# Altium PCB DM3370.PcbDoc (part 8 of 9)
Units mm, origin at the board's own origin, x right, y up, seen from the top; angles counter-clockwise.
Board outline 114.8 x 103.43 mm, 6 copper layers (Top Copper, GND 1, PWR, Signal Layer 1, GND 2, Bottom Copper), stack 1.599 mm thick; 540 components, 427 nets, 2136 pads, 1770 vias.
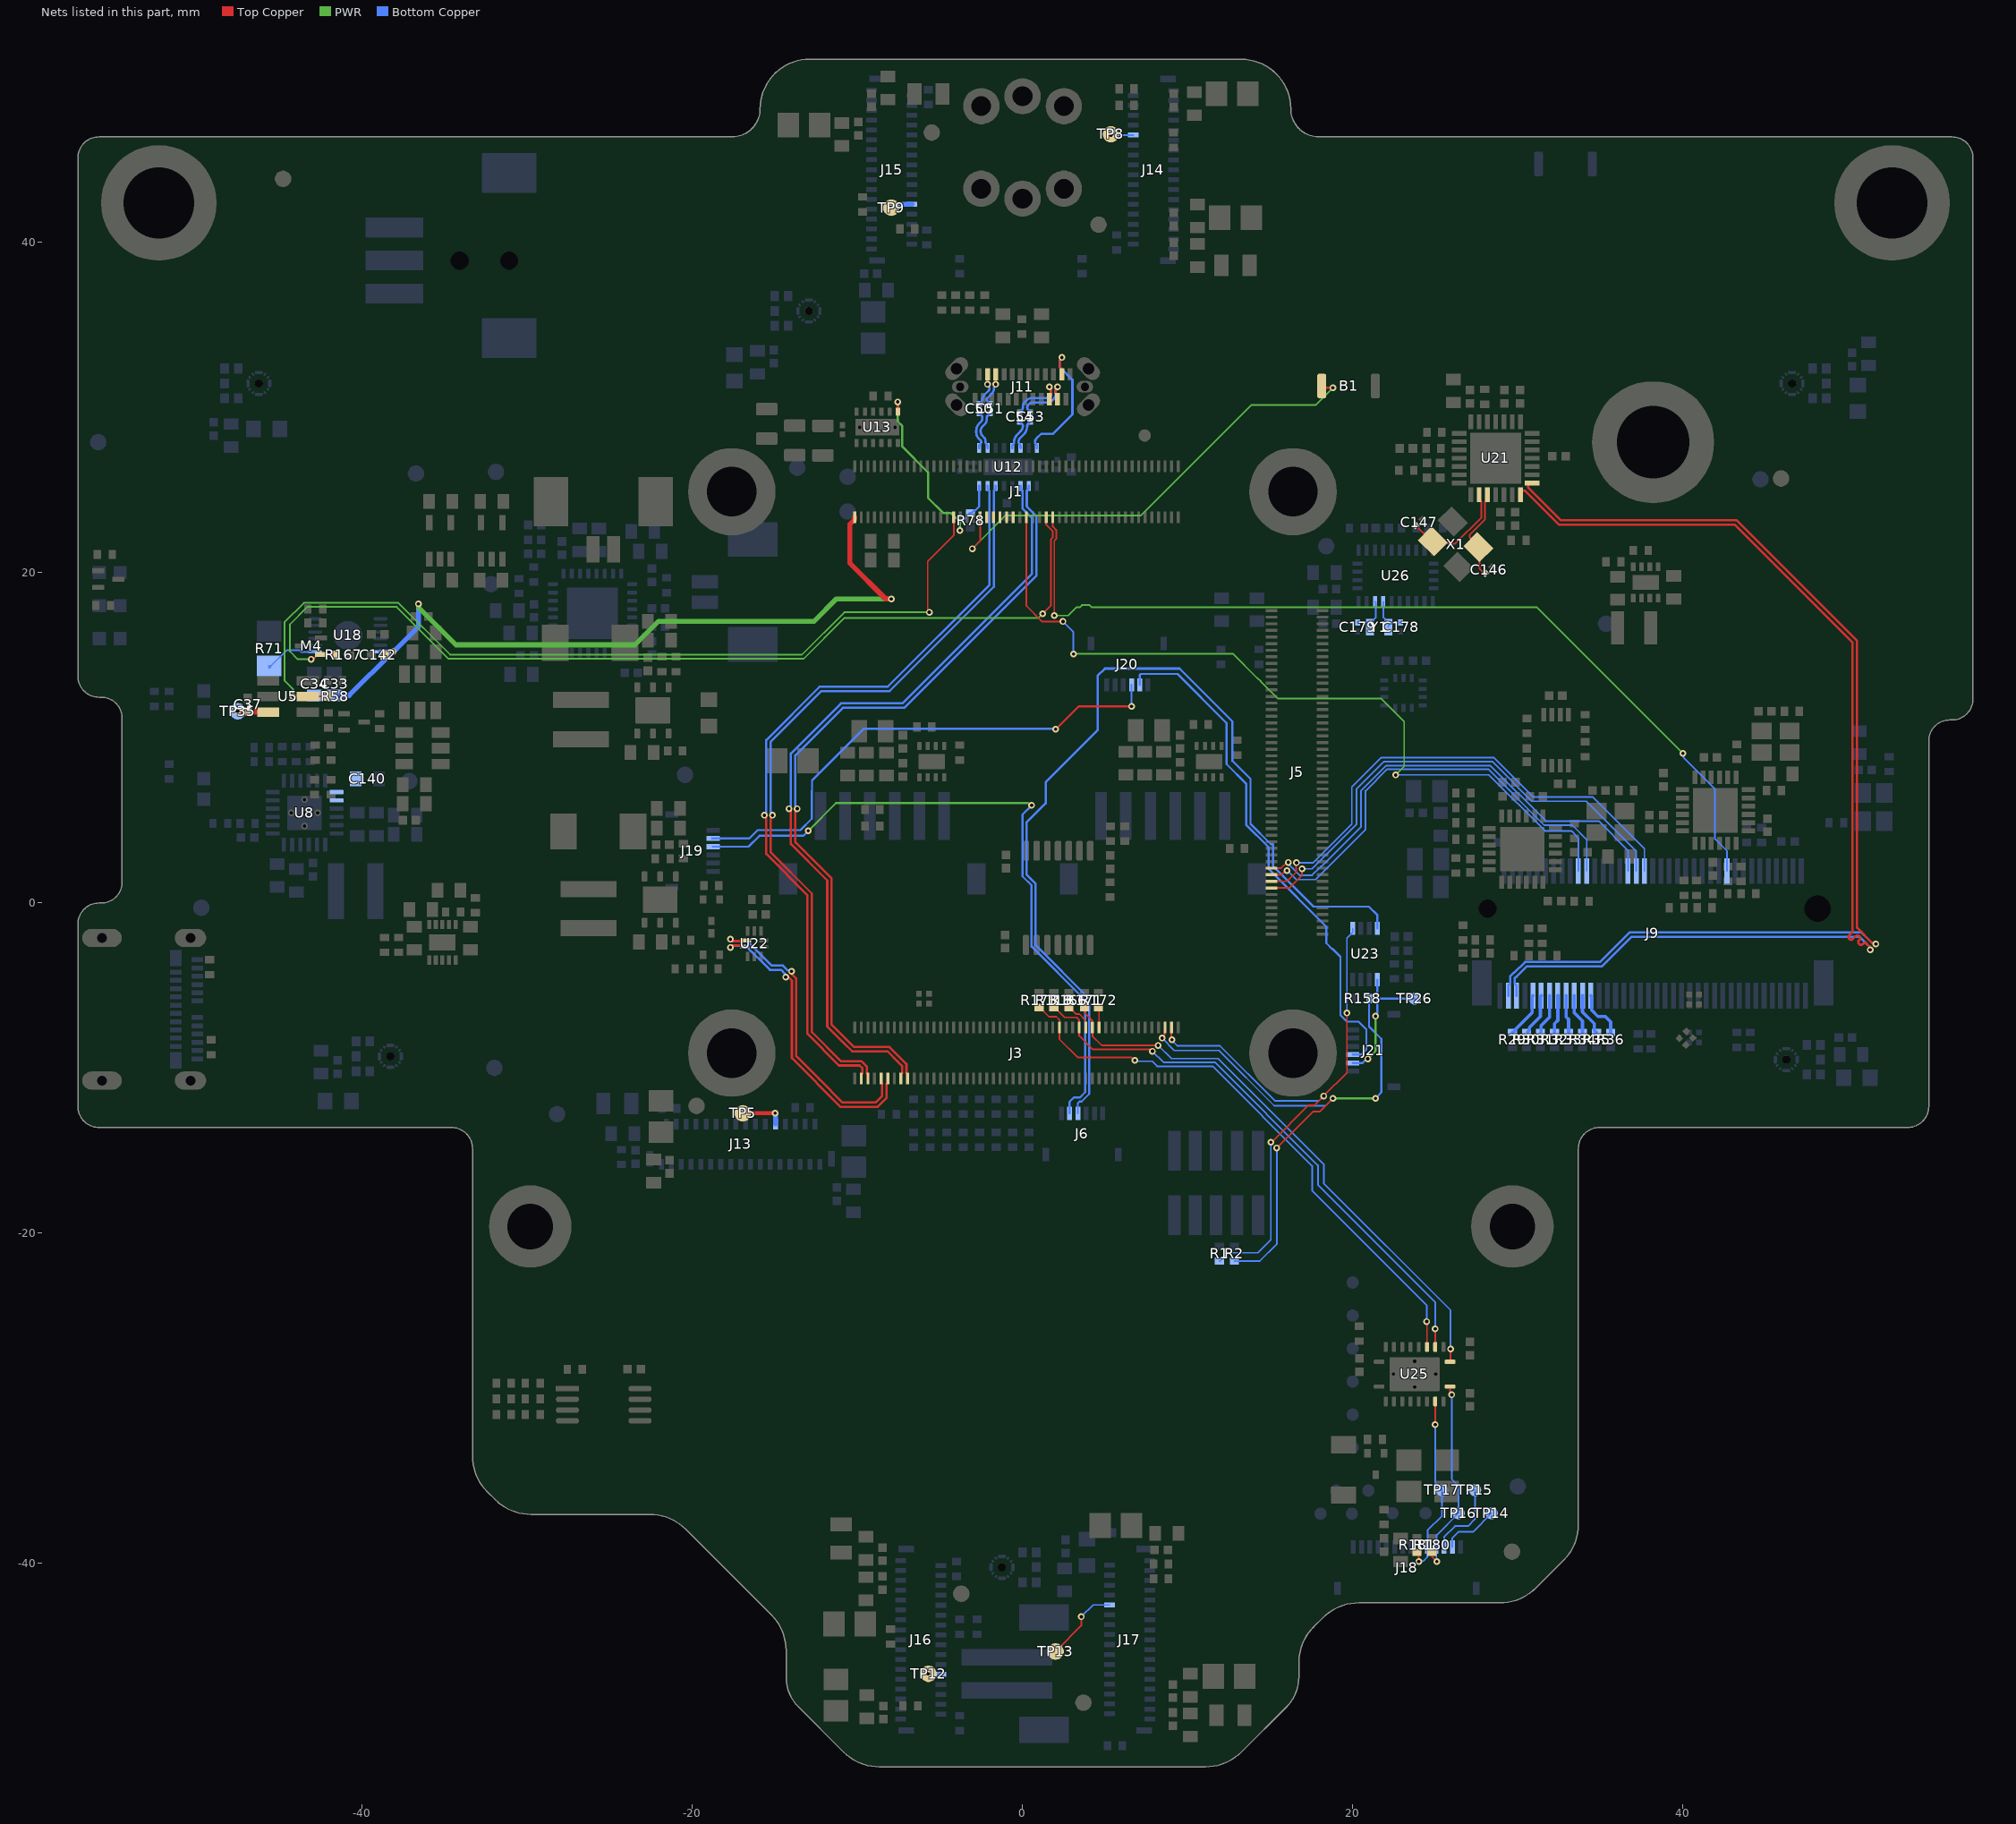
[diagram p12: the nets of this part, all layers, seen from the top]

## Via types
v1: diameter 0.406, hole 0.203, Top Copper to Bottom Copper, tented both sides, 1733 vias
v2: diameter 0.508, hole 0.254, Top Copper to Bottom Copper, 16 vias
v3: diameter 0.5, hole 0.2, Top Copper to Bottom Copper, 13 vias
v4: diameter 0.6, hole 0.3, Top Copper to Bottom Copper, 6 vias
v5: diameter 0.406, hole 0.203, Top Copper to Bottom Copper, 2 vias

## Nets (pads, with @x,y where several pads share a name; then routed paths per layer and width w, separated by ;. In a path a pad name is that pad's centre, name@x,y a point inside that pad or via, vN(x,y) a via of type N, cw(c..) or ccw(c..) an arc to the next point about the centre after c; other vN are vias at no path point) (continued)
RXC_P: J11.A11 U12.19 | length 8.8
  Top Copper w0.14: J11.A11@2.375,32.01 2.295,32.09 2.295,32.377 2.275,32.397 2.275,32.844 2.39,32.958 v1(2.39,33.03)
  Bottom Copper w0.14: 0.758,28.033 0.758,27.924 ; 0.836,28.111 ccw(c1.023,27.924) 0.758,27.924 ; 0.836,28.111 1.137,28.412 1.852,28.412 3.021,29.581 3.021,31.682 2.275,32.427 2.275,32.844 2.39,32.958 v1(2.39,33.03) ; U12.19@0.875,27.55 U12.19@0.875,27.643 ; 0.758,27.924 ccw(c0.957,27.924) 0.817,27.783 0.758,27.841 0.758,27.924 ; U12.19@0.875,27.643 ccw(c0.676,27.643) 0.817,27.783 0.875,27.725 U12.19@0.875,27.643
S_CLR: J1.60 M4.1 R167.2 | length 59.5
  Top Copper w0.102: v1(-43.1,14.75) -43.042,14.808 -42.947,14.808 -42.705,15.05 M4.1@-42.5,15.05 -41.65,15.05 R167.2@-41.6,15 ; v1(1.214,17.504) 1.71,18 1.71,22.009 1.832,22.131 1.832,22.5 1.432,22.9 J1.60@1.432,23.359
  PWR w0.102: v1(-43.1,14.75) -43.917,14.75 -44.385,15.219 -44.385,16.868 -43.334,17.919 -37.914,17.919 -34.775,14.781 -13.269,14.781 -10.806,17.244 0.954,17.244 v1(1.214,17.504)
S_INT: J1.32 R58.1 U5.5 | length 55.2
  Top Copper w0.102: v1(-44.2,12.5) R58.1@-42.1,12.5 ; v1(-5.65,17.6) -5.65,17.682 -5.75,17.782 -5.75,20.678 -4.168,22.259 J1.32@-4.168,23.359
  PWR w0.102: v1(-44.2,12.5) -44.2,12.952 -44.712,13.464 -44.712,16.998 -43.544,18.166 -37.812,18.166 -34.673,15.028 -13.372,15.028 -10.8,17.6 v1(-5.65,17.6)
SCL: J18.5 R181.1 TP17.1 U25.18 | length 11.3
  Top Copper w0.102: R181.1@23.9,-39.25 24,-39.35 v1(24,-39.9) ; v1(25,-31.6) U25.18@25,-30.2
  Bottom Copper w0.102: v1(24,-39.9) 24.025,-39.875 24.274,-39.875 24.515,-39.634 24.515,-39.044 J18.5@24.537,-39.022 24.537,-38.013 25.412,-37.138 TP17.1@25.412,-35.572 25.412,-35.534 25,-35.121 v1(25,-31.6)
SD0_CLK_1V8: J9.9 R29.2 | length 2.8
  Bottom Copper w0.2: R29.2@29.675,-7.85 29.725,-7.85 29.85,-7.725 29.85,-7.675 30.875,-6.65 30.875,-5.675 J9.9@30.925,-5.625
SD0_CMD_1V8: J9.11 R30.2 | length 2.5
  Bottom Copper w0.2: R30.2@30.595,-7.819 30.606,-7.819 30.7,-7.725 30.7,-7.559 31.375,-6.884 31.375,-5.675 J9.11@31.425,-5.625
SD0_D0_1V8: J9.13 R31.2 | length 2.4
  Bottom Copper w0.2: R31.2@31.381,-7.841 31.413,-7.809 31.413,-7.442 31.925,-6.93 J9.13@31.925,-5.625
SD0_D1_1V8: J9.15 R32.2 | length 2.3
  Bottom Copper w0.2: R32.2@32.225,-7.85 32.225,-7.318 32.425,-7.118 J9.15@32.425,-5.625
SD0_D2_1V8: J9.17 R33.2 | length 2.3
  Bottom Copper w0.2: J9.17@32.925,-5.625 32.925,-6.913 33.075,-7.063 R33.2@33.075,-7.85
SD0_D3_1V8: J9.19 R34.2 | length 2.4
  Bottom Copper w0.2: J9.19@33.425,-5.625 33.425,-6.663 33.925,-7.163 R34.2@33.925,-7.85
SDA: J18.4 R180.1 TP16.1 U25.20 | length 12.2
  Top Copper w0.102: R180.1@24.8,-39.25 24.8,-39.6 v1(25.1,-39.9) ; U25.20@25.9,-29.3 25.9,-29.618 26,-29.718 v1(26,-29.8)
  Bottom Copper w0.102: v1(25.1,-39.9) 25.069,-39.869 25.069,-39.053 J18.4@25.037,-39.022 25.091,-38.968 25.091,-38.293 TP16.1@26.412,-36.972 26.412,-35.312 26,-34.9 v1(26,-29.8)
SEL: R78.1 U12.9 U13.7 | length 13.5
  Top Copper w0.127: v1(-7.56,30.34) -7.555,30.334 -7.555,29.755 U13.7@-7.55,29.75
  PWR w0.127: v1(-7.56,30.34) -7.56,29.16 -7.3,28.9 -7.3,27.65 -5.727,26.077 -5.727,24.527 -4.815,23.615 -4.344,23.615 -3.8,23.071 v1(-3.8,22.55)
  Bottom Copper w0.127: v1(-3.8,22.55) -3.8,22.95 -3.361,23.389 -3.361,23.439 -3.2,23.6 -3.1,23.6 -2.938,23.762 -2.871,23.762 -2.625,24.008 U12.9@-2.625,25.25
SPI2_SCK: J3.69 R118.2 U25.3 | length 34.5
  Top Copper w0.102: R118.2@1.9,-6.35 1.95,-6.35 2.543,-6.943 3.28,-6.943 3.432,-7.096 3.432,-8.057 4.264,-8.889 7.685,-8.889 7.788,-8.992 v1(7.87,-8.992) ; U25.3@25,-26.9 v1(25,-25.8)
  Bottom Copper w0.102: v1(7.87,-8.992) 8.543,-9.664 11.653,-9.664 17.892,-15.903 17.892,-17.077 25,-24.186 v1(25,-25.8)
SPI2_SIO0: J3.73 R171.2 U25.1 | length 34.3
  Top Copper w0.102: R171.2@3.75,-6.35 3.75,-6.65 4.22,-7.12 4.22,-7.549 4.234,-7.563 4.234,-8.07 4.8,-8.636 v1(8.215,-8.636) ; U25.1@25.9,-27.8 25.925,-27.775 v1(25.925,-27.022)
  Bottom Copper w0.102: v1(8.215,-8.636) 9.013,-9.434 11.851,-9.434 18.25,-15.833 18.25,-16.999 25.925,-24.674 v1(25.925,-27.022)
SPI2_SIO1: J3.75 R172.2 | length 1.2
  Top Copper w0.102: R172.2@4.6,-6.35 4.632,-6.382 J3.75@4.632,-7.561
SPI2_SS_0: J3.71 R166.2 | length 1.8
  Top Copper w0.102: R166.2@2.8,-6.35 2.85,-6.35 3.228,-6.728 3.428,-6.728 3.82,-7.12 3.82,-7.549 J3.71@3.832,-7.561
SPI2_SS_1: J3.63 R173.2 U25.4 | length 35.1
  Top Copper w0.102: R173.2@1,-6.35 1.05,-6.35 1.6,-6.9 2.045,-6.9 2.25,-7.105 2.25,-7.543 J3.63@2.232,-7.561 2.232,-8.256 3.342,-9.366 6.588,-9.366 6.772,-9.55 v1(6.8,-9.55) ; v1(24.483,-25.36) 24.5,-25.377 U25.4@24.5,-26.9
  Bottom Copper w0.102: v1(6.8,-9.55) 6.85,-9.6 7.85,-9.6 8.15,-9.9 11.515,-9.9 17.545,-15.931 17.545,-17.436 24.483,-24.374 v1(24.483,-25.36)
STROBE_A1: J14.10 TP8.1 | length 1.3
  Bottom Copper w0.102: v1(5.35,46.5) J14.10@6.7,46.5
STROBE_D1: J15.10 TP9.1 | length 1.4
  Bottom Copper w0.3: v1(-8,42.1) -7.971,42.1 -7.771,42.3 J15.10@-6.7,42.3
STROBE_E: J13.10 TP5.1 | length 2.6
  Top Copper w0.254: TP5.1@-16.95,-12.75 -16.944,-12.744 -14.99,-12.744 v1(-14.985,-12.738)
  Bottom Copper w0.3: v1(-14.985,-12.738) -14.975,-12.748 J13.10@-14.975,-13.4
STROBE_E1: J16.10 TP12.1 | length 0.8
  Bottom Copper w0.25: v1(-5.7,-46.7) -5.679,-46.721 -4.959,-46.721 J16.10@-4.938,-46.742
STROBE_R1: J17.10 TP13.1 | length 5.1
  Top Copper w0.102: TP13.1@1.768,-45.4 2.084,-45.4 2.084,-45.266 3.562,-43.788 v1(3.562,-43.242)
  Bottom Copper w0.102: v1(3.562,-43.242) 4.276,-42.528 J17.10@5.263,-42.528
SYS_RST: B1.1 J1.40 | length 28.7
  Top Copper w0.102: v1(-3.05,21.45) -2.568,21.932 J1.40@-2.568,23.359
  Top Copper w0.127: B1.1@18.1,31.2 v1(18.8,31.2)
  PWR w0.102: v1(-3.05,21.45) -1.05,23.45 7.15,23.45 13.85,30.15 17.75,30.15 v1(18.8,31.2)
TCK: J1.48
TDI: J1.46
TDO: J1.42
TMS: J1.50
TP0: J18.2 TP14.1 | length 3.6
  Bottom Copper w0.102: J18.2@26.037,-39.022 26.037,-38.463 26.4,-38.1 27.284,-38.1 TP14.1@28.412,-36.972
TP1: J18.3 TP15.1 | length 4.7
  Bottom Copper w0.102: J18.3@25.537,-39.022 25.537,-38.413 26.2,-37.75 27,-37.75 27.412,-37.338 TP15.1@27.412,-35.572
TRST: J1.44
TXB1_N: C51.2 U12.13 | length 2.7
  Bottom Copper w0.14: -2.241,27.923 ccw(c-2.043,27.924) -2.183,27.783 cw(c-2.324,27.643) -2.125,27.643 U12.13@-2.125,27.55 ; -2.241,27.924 -2.241,27.982 ccw(c-2.498,27.982) -2.317,28.164 -2.394,28.241 cw(c-2.038,28.597) -2.514,28.433 cw(c-2.038,28.597) -2.542,28.597 cw(c-2.211,28.597) -2.445,28.831 -2.29,28.986 ccw(c-2.587,29.284) -2.166,29.284 -2.166,29.4 ; C51.2@-1.989,29.616 C51.2@-2.051,29.554 ; -2.166,29.4 cw(c-2.026,29.4) C51.2@-2.126,29.499 ; -2.166,29.4 -2.166,29.458 C51.2@-2.126,29.499 ; C51.2@-2.125,29.499 C51.2@-2.084,29.54 ; C51.2@-2.084,29.54 ccw(c-2.084,29.587) C51.2@-2.051,29.554 ; C51.2@-2.084,29.54 -2.065,29.54 C51.2@-2.051,29.554 ; C51.2@-2.051,29.554 C51.2@-1.989,29.616 ; C51.2@-1.989,29.616 ccw(c-2.023,29.65) C51.2@-1.975,29.65 -1.975,29.63 C51.2@-1.989,29.616
TXB1_P: C50.2 U12.12 | length 2.7
  Bottom Copper w0.14: U12.12@-2.625,27.55 -2.625,27.643 cw(c-2.426,27.643) -2.567,27.783 -2.557,27.793 ccw(c-2.673,27.91) -2.508,27.91 ccw(c-2.673,27.91) -2.557,28.026 -2.661,28.131 cw(c-2.305,28.487) -2.781,28.322 cw(c-2.305,28.487) -2.809,28.487 -2.809,28.597 cw(c-2.211,28.597) -2.634,29.02 -2.534,29.12 -2.518,29.136 ccw(c-2.721,29.339) -2.433,29.339 -2.433,29.4 ; C50.2@-2.516,29.54 cw(c-2.516,29.587) -2.549,29.554 -2.611,29.616 -2.535,29.54 C50.2@-2.516,29.54 ; C50.2@-2.516,29.54 C50.2@-2.475,29.499 ; C50.2@-2.474,29.499 cw(c-2.574,29.4) -2.433,29.4 ; C50.2@-2.474,29.499 -2.433,29.458 -2.433,29.4 ; C50.2@-2.625,29.63 -2.611,29.616 cw(c-2.577,29.65) C50.2@-2.625,29.65 C50.2@-2.625,29.63
TXB_N: C51.1 J11.A3 | length 2.1
  Top Copper w0.14: v1(-1.627,31.4) v1(-1.627,31.4) -1.626,32.009 J11.A3@-1.625,32.01
  Bottom Copper w0.14: C51.1@-1.989,30.244 -2.065,30.32 cw(c-2.065,30.367) -2.098,30.334 cw(c-1.934,30.499) -2.166,30.499 -2.166,30.5 cw(c-2.086,30.5) -2.143,30.557 -1.859,30.841 ccw(c-2.143,31.124) -1.742,31.124 cw(c-1.526,31.124) -1.678,31.277 ccw(c-1.801,31.4) v1(-1.627,31.4) ; C51.1@-1.989,30.244 cw(c-2.023,30.21) C51.1@-1.975,30.21
TXB_P: C50.1 J11.A2 | length 2.2
  Top Copper w0.14: J11.A2@-2.125,32.01 -2.124,32.009 -2.124,31.401 v1(-2.123,31.4)
  Bottom Copper w0.14: C50.1@-2.625,30.21 cw(c-2.577,30.21) -2.611,30.244 -2.535,30.32 ccw(c-2.535,30.367) -2.502,30.334 ccw(c-2.666,30.499) -2.433,30.499 -2.433,30.5 cw(c-2.086,30.5) -2.332,30.746 -2.099,30.978 ; v1(-2.123,31.4) ccw(c-1.949,31.4) v1@-2.072,31.277 ; v1@-2.072,31.277 -2.06,31.265 cw(c-2.183,31.141) -2.008,31.141 cw(c-2.183,31.141) -2.06,31.018 -2.099,30.978 ; -2.011,31.101 cw(c-2.148,31.127) -2.049,31.029 -2.099,30.978
TXC1_N: C54.2 U12.16 | length 1.9
  Bottom Copper w0.14: U12.16@-0.625,27.55 -0.625,27.643 cw(c-0.426,27.643) U12.16@-0.567,27.783 ; U12.16@-0.567,27.783 ccw(c-0.707,27.924) -0.509,27.924 cw(c0.087,27.924) -0.334,28.345 ; -0.334,28.345 -0.128,28.551 ccw(c-0.477,28.9) 0.016,28.9 ccw(c-0.123,28.9) -0.025,28.999 -0.052,29.026 ccw(c-0.085,28.993) -0.085,29.04 -0.161,29.116 cw(c-0.127,29.15) C54.2@-0.175,29.15
TXC1_P: C53.2 U12.17 | length 1.9
  Bottom Copper w0.14: U12.17@-0.183,27.783 cw(c-0.043,27.924) -0.242,27.924 cw(c0.087,27.924) -0.146,28.156 0.073,28.374 0.135,28.436 ccw(c-0.054,28.625) 0.2,28.542 cw(c0.332,28.498) 0.207,28.56 ccw(c-0.436,28.883) 0.283,28.883 0.283,28.9 cw(c0.423,28.9) 0.325,28.999 0.352,29.026 cw(c0.385,28.993) 0.385,29.04 0.461,29.116 ccw(c0.427,29.15) C53.2@0.475,29.15 ; U12.17@-0.183,27.783 cw(c-0.324,27.643) -0.125,27.643 U12.17@-0.125,27.55
TXC_N: C54.1 J11.B3 | length 3.8
  Top Copper w0.14: J11.B3@1.625,30.5 1.625,30.725 1.742,30.842 1.742,31.064 1.627,31.178 v1(1.627,31.25)
  Bottom Copper w0.14: C54.1@-0.175,29.71 cw(c-0.127,29.71) -0.161,29.744 -0.085,29.82 ccw(c-0.085,29.867) -0.052,29.834 ccw(c-0.216,29.999) 0.016,29.999 0.016,30.088 cw(c0.31,30.088) 0.102,30.296 0.216,30.41 cw(c0.596,30.03) 0.596,30.567 1.379,30.567 ccw(c1.379,31.021) 1.7,30.7 ccw(c1.6,30.8) 1.742,30.8 1.742,30.983 ccw(c1.547,30.983) 1.684,31.121 1.678,31.127 cw(c1.801,31.25) v1(1.627,31.25)
TXC_P: C53.1 J11.B2 | length 3.8
  Top Copper w0.14: v1(2.123,31.25) 2.008,31.136 2.008,30.842 2.125,30.725 J11.B2@2.125,30.5
  Bottom Copper w0.14: C53.1@0.475,29.71 ccw(c0.427,29.71) 0.461,29.744 0.385,29.82 cw(c0.385,29.867) 0.352,29.834 cw(c0.516,29.999) 0.283,29.999 cw(c0.527,29.999) 0.354,30.17 0.405,30.221 cw(c0.596,30.03) 0.596,30.3 1.379,30.3 ccw(c1.379,31.021) 1.889,30.511 ccw(c1.6,30.8) 2.008,30.8 2.008,30.983 cw(c2.203,30.983) 2.066,31.121 2.072,31.127 ccw(c1.949,31.25) v1(2.123,31.25)
UART2_CTS: J5.84 J9.36 | length 31
  Top Copper w0.102: J5.84@15.092,1.299 16.028,1.299 16.573,1.845 16.573,2.404 v1(16.595,2.425)
  Bottom Copper w0.102: v1(16.595,2.425) 17.614,2.425 19.95,4.761 19.95,7.013 21.737,8.8 28.55,8.8 30.95,6.4 34.55,6.4 37.675,3.275 J9.36@37.675,1.925
UART2_RTS: J5.86 J9.34 | length 30.2
  Top Copper w0.102: J5.86@15.092,0.899 16.142,0.899 16.929,1.686 v1(16.929,2.06)
  Bottom Copper w0.102: v1(16.929,2.06) 17.547,2.06 20.242,4.756 20.242,6.896 21.896,8.55 28.45,8.55 30.85,6.15 34.15,6.15 37.175,3.125 J9.34@37.175,1.925
UART2_RX: J5.80 J9.32 | length 29.5
  Top Copper w0.102: J5.80@15.092,2.099 15.667,2.099 16.018,2.45 v1(16.1,2.45)
  Bottom Copper w0.102: v1(16.1,2.45) 16.1,2.368 16.209,2.259 16.373,2.094 16.373,2.077 16.78,1.67 17.542,1.67 18.072,2.2 18.1,2.2 20.508,4.608 20.508,6.796 22.012,8.3 28.35,8.3 31.7,4.95 34.9,4.95 36.675,3.175 J9.32@36.675,1.925
UART2_TX: J5.82 J9.22 | length 27.2
  Top Copper w0.102: J5.82@15.092,1.699 15.69,1.699 15.937,1.947 v1(16.018,1.947)
  Bottom Copper w0.102: v1(16.018,1.947) 16.057,1.947 16.594,1.41 17.76,1.41 20.785,4.435 20.785,6.785 22.096,8.096 28.204,8.096 31.6,4.7 33.3,4.7 34.175,3.825 J9.22@34.175,1.925
UART2_WAKE: J1.54 J9.20 | length 50.1
  Top Copper w0.102: J1.54@0.232,23.359 0.232,17.982 1.176,17.038 v1(2.45,17.038)
  PWR w0.102: v1(3.085,15.073) 12.753,15.073 14.215,13.612 14.226,13.612 14.435,13.403 14.435,13.392 15.463,12.364 21.736,12.364 23.117,10.983 23.117,8.258 v1(22.6,7.741)
  Bottom Copper w0.102: v1(2.45,17.038) 3.085,16.402 v1(3.085,15.073) ; v1(22.6,7.741) 22.609,7.75 28.25,7.75 31.65,4.35 33.25,4.35 33.675,3.925 J9.20@33.675,1.925
USB_D_N: J3.12 U22.2 | length 18.8
  Top Copper w0.14: v1(-17.7,-2.7) -17.586,-2.586 -17.083,-2.586 -16.987,-2.681 U22.2@-16.818,-2.681 ; v1(-14.35,-4.5) -14.299,-4.551 -14.138,-4.551 -13.975,-4.713 -13.975,-4.829 ; -13.975,-4.83 -13.975,-9.402 -11.011,-12.367 -8.795,-12.367 -8.235,-11.806 -8.235,-10.967 -8.168,-10.901 J3.12@-8.168,-10.641
  Bottom Copper w0.14: v1(-17.7,-2.7) -17.628,-2.7 -17.514,-2.586 -16.792,-2.586 -15.311,-4.067 -14.622,-4.067 -14.401,-4.288 -14.401,-4.449 v1(-14.35,-4.5)
USB_D_P: J3.10 U22.1 | length 18.4
  Top Copper w0.14: v1(-17.7,-2.205) -17.586,-2.319 -16.806,-2.319 U22.1@-16.768,-2.281 ; v1(-14,-4.15) -13.949,-4.201 -13.949,-4.362 -13.708,-4.603 -13.708,-4.94 -13.708,-9.292 -12.304,-10.696 -10.9,-12.1 -8.906,-12.1 -8.502,-11.696 -8.502,-10.967 -8.568,-10.901 J3.10@-8.568,-10.641
  Bottom Copper w0.14: v1(-17.7,-2.205) -17.628,-2.205 -17.514,-2.319 -16.681,-2.319 -15.2,-3.8 -14.511,-3.8 -14.212,-4.099 -14.051,-4.099 v1(-14,-4.15)
USB_M.2_D_N: J9.5 U21.28 | length 68.5
  Top Copper w0.14: U21.28@30.162,24.717 30.162,24.89 30.237,24.965 30.435,24.965 32.5,22.9 43.15,22.9 44.35,21.7 50.283,15.767 50.283,-0.817 50.283,-1.709 cw(c50.14,-1.709) 50.241,-1.81 50.08,-1.971 ccw(c50.181,-2.072) 50.08,-2.173 50.103,-2.195 ccw(c50.203,-2.095) 50.304,-2.195 50.48,-2.02 cw(c50.581,-2.121) 50.682,-2.02 50.704,-2.043 cw(c50.603,-2.144) 50.704,-2.244 50.669,-2.28 ccw(c50.77,-2.38) 50.669,-2.481 50.691,-2.504 ccw(c50.792,-2.403) 50.893,-2.504 50.928,-2.469 cw(c51.029,-2.57) 51.13,-2.469 51.299,-2.638 51.299,-2.799 51.345,-2.845 v1(51.35,-2.85)
  Bottom Copper w0.14: J9.5@29.925,-5.625 29.925,-5 29.809,-4.884 29.809,-4.574 29.891,-4.492 29.908,-4.492 30.55,-3.85 35.1,-3.85 36.883,-2.067 50.728,-2.067 51.299,-2.638 51.299,-2.799 v1(51.35,-2.85)
USB_M.2_D_P: J9.3 U21.1 | length 68
  Top Copper w0.14: U21.1@30.872,25.427 30.698,25.427 30.623,25.352 30.623,25.154 32.61,23.167 43.261,23.167 44.354,22.074 50.55,15.878 50.55,-1.511 51.488,-2.449 51.649,-2.449 v1(51.7,-2.5)
  Bottom Copper w0.14: J9.3@29.425,-5.625 29.425,-5 29.542,-4.884 29.542,-4.463 29.78,-4.225 29.798,-4.225 30.439,-3.583 34.989,-3.583 36.772,-1.8 50.839,-1.8 51.488,-2.449 51.649,-2.449 v1(51.7,-2.5)
USB_RX_N: J3.18 U12.3 | length 48.6
  Top Copper w0.14: v1(-13.65,5.7) -13.65,5.628 -13.764,5.514 -13.764,3.664 -11.564,1.464 -11.564,-7.384 -10.214,-8.734 -9.272,-8.734 -8.064,-8.734 -7.035,-9.763 -7.035,-10.314 -6.968,-10.381 J3.18@-6.968,-10.641
  Bottom Copper w0.14: v1(-13.65,5.7) -13.65,5.772 -13.764,5.886 -13.764,8.935 -10.887,11.812 -7.16,11.812 0.828,19.801 0.828,23.441 0.258,24.01 0.258,24.958 0.375,25.075 U12.3@0.375,25.25
USB_RX_P: J3.16 U12.4 | length 48.6
  Top Copper w0.14: v1(-14.145,5.7) -14.145,5.628 -14.031,5.514 -14.031,3.554 -11.831,1.353 -11.831,-7.494 -10.857,-8.468 -10.324,-9.001 -9.162,-9.001 -8.174,-9.001 -7.575,-9.6 -7.302,-9.873 -7.302,-10.314 -7.368,-10.381 J3.16@-7.368,-10.641
  Bottom Copper w0.14: v1(-14.145,5.7) -14.145,5.772 -14.031,5.886 -14.031,9.045 -10.997,12.079 -7.271,12.079 0.561,19.911 0.561,23.33 -0.009,23.9 -0.009,24.958 -0.125,25.075 U12.4@-0.125,25.25
USB_TX_N: J3.6 U12.7 | length 47.2
  Top Copper w0.14: v1(-15.15,5.3) -15.15,5.228 -15.264,5.114 -15.264,3.064 -12.767,0.567 -12.767,-7.831 -11.009,-9.588 -9.759,-9.588 -9.635,-9.712 -9.435,-9.913 -9.435,-10.314 -9.368,-10.381 J3.6@-9.368,-10.641
  Bottom Copper w0.14: v1(-15.15,5.3) -15.15,5.372 -15.264,5.486 -15.264,9.747 -12.19,12.822 -8.051,12.822 -1.739,19.133 -1.739,23.303 -1.741,23.305 -1.741,24.958 -1.625,25.075 U12.7@-1.625,25.25
USB_TX_P: J3.4 U12.8 | length 47.2
  Top Copper w0.14: v1(-15.645,5.3) -15.645,5.228 -15.531,5.114 -15.531,2.954 -13.034,0.456 -13.034,-7.941 -11.12,-9.855 -9.87,-9.855 -9.702,-10.023 -9.702,-10.314 -9.768,-10.381 J3.4@-9.768,-10.641
  Bottom Copper w0.14: v1(-15.645,5.3) -15.645,5.372 -15.531,5.486 -15.531,9.858 -12.3,13.089 -8.161,13.089 -2.006,19.244 -2.006,23.192 -2.008,23.194 -2.008,24.958 -2.125,25.075 U12.8@-2.125,25.25
VBAT: C33.2 C34.2 C37.1 C140.2 C142.1 J1.2 R71.1 TP35.1 U5.3 U8.13 U8.14 U18.6 U18.7 | length 52
  Top Copper w0.102: C142.1@-38.65,15.1 -38.55,15.2 v1(-38.15,15.2)
  Top Copper w0.3: v1(-47.55,11.6) -47,11.6 C37.1@-46.95,11.55 ; C37.1@-46.95,11.6 C37.1@-46.95,11.55 ; U5.3@-45.7,11.55 C37.1@-46.95,11.55 ; J1.2@-10.168,23.359 -10.168,23.219 -10.455,22.932 -10.455,20.56 -8.295,18.4 v1(-7.95,18.4)
  PWR w0.3: v1(-36.6,18.1) -36.58,18.08 -36.58,17.88 -34.324,15.624 -23.476,15.624 -22.05,17.05 -12.63,17.05 -11.28,18.4 v1(-7.95,18.4)
  Bottom Copper w0.102: R71.1@-45.65,14.25 R71.1@-45.575,14.25 ; R71.1@-45.65,14.35 -45.525,14.35 -44.569,15.306 -43.817,15.306 -43.711,15.2 U18.7@-42.86,15.2
  Bottom Copper w0.3: C33.2@-41.7,12.55 -40.8,12.55 v1(-38.15,15.2) ; U18.6@-38.9,15.2 v1(-38.15,15.2) ; v1(-36.6,18.1) -36.6,16.707 -37.962,15.345 -37.976,15.345 -38.121,15.2 v1(-38.15,15.2)
WIFI_3V3_W_DISABLE: J1.62 J9.56 | length 56.4
  Top Copper w0.102: J1.62@1.832,23.359 1.832,22.788 2.036,22.584 2.036,22.046 1.925,21.936 v1(1.925,17.4)
  PWR w0.102: v1(1.925,17.4) 2.755,17.4 3.251,17.896 3.457,17.896 3.594,18.034 4.058,18.034 4.195,17.896 31.159,17.896 v1(40,9.056)
  Bottom Copper w0.102: v1(40,9.056) 40.044,9.012 40.044,8.8 41.95,6.893 41.95,3.869 42.675,3.144 J9.56@42.675,1.925
WIFI_RST: J9.23 R36.1 | length 3
  Bottom Copper w0.2: J9.23@34.425,-5.625 34.475,-5.675 34.475,-6.497 34.862,-6.884 35.298,-6.884 35.625,-7.21 R36.1@35.625,-7.85